# KiCad board karabas-pro-revEU.kicad_pcb (continued)
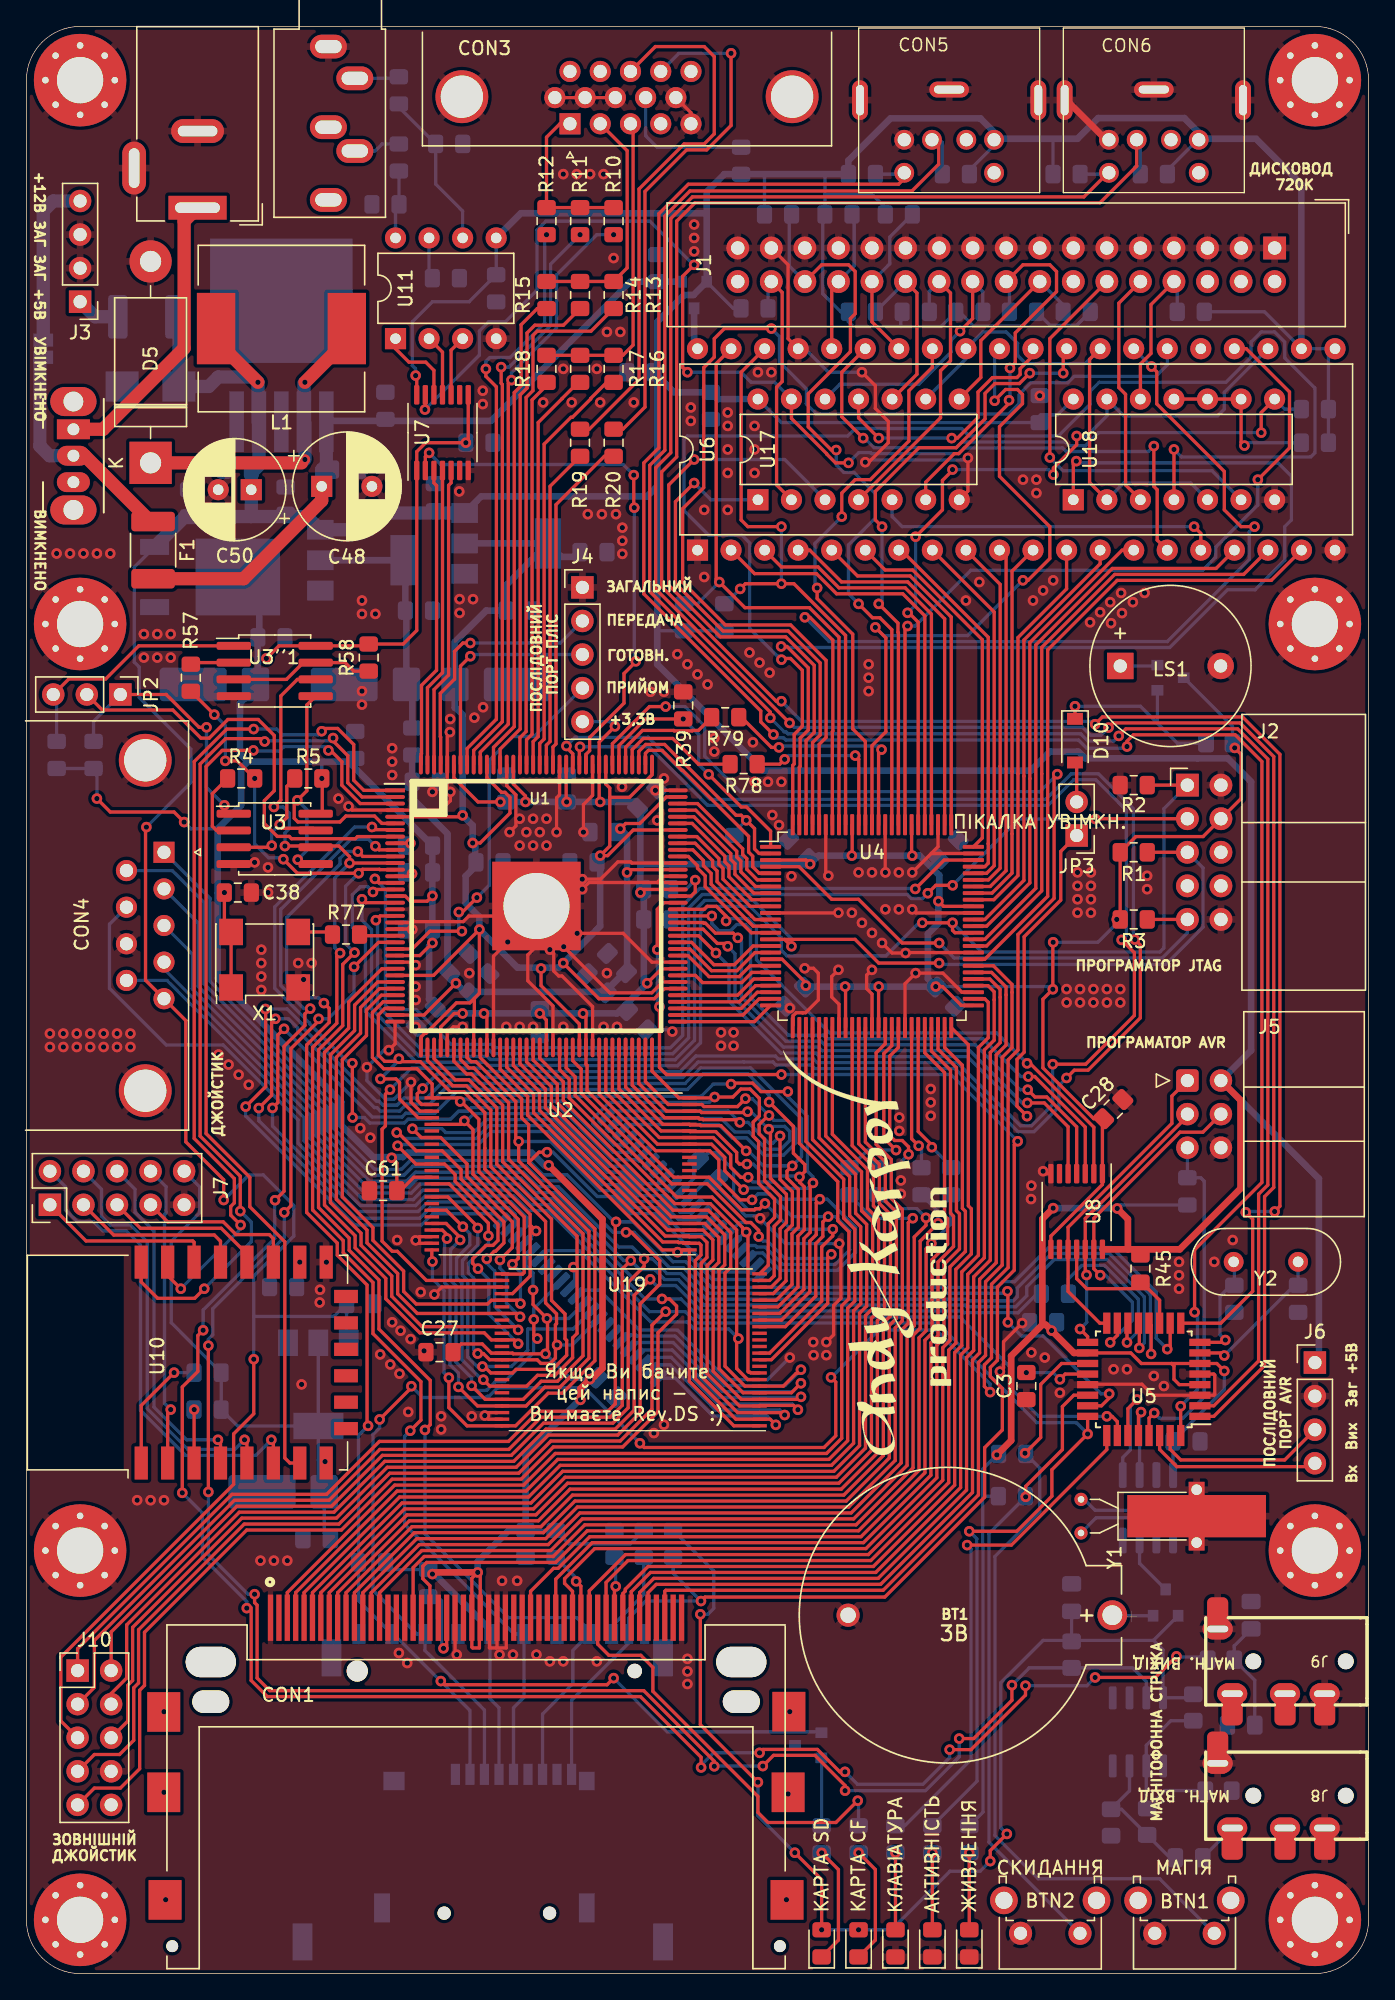
[diagram p0: board, top side]
## Footprints (pads in the part's own frame, mm; a bottom-side part is the same pattern mirrored in y, then rotated)
ALTERA-QFP-145
  rect 1.5x0.3 smd: 1(-10.7,8.75)
  oval 1.5x0.3 smd: 2(-10.7,8.25) 3(-10.7,7.75) 4(-10.7,7.25) 5(-10.7,6.75) 6(-10.7,6.25) 7(-10.7,5.75) 8(-10.7,5.25) 9(-10.7,4.75) 10(-10.7,4.25) 11(-10.7,3.75) 12(-10.7,3.25) 13(-10.7,2.75) 14(-10.7,2.25) 15(-10.7,1.75) 16(-10.7,1.25) 17(-10.7,0.75) 18(-10.7,0.25) 19(-10.7,-0.25) 20(-10.7,-0.75) 21(-10.7,-1.25) 22(-10.7,-1.75) 23(-10.7,-2.25) 24(-10.7,-2.75) 25(-10.7,-3.25) 26(-10.7,-3.75) 27(-10.7,-4.25) 28(-10.7,-4.75) 29(-10.7,-5.25) 30(-10.7,-5.75) 31(-10.7,-6.25) 32(-10.7,-6.75) 33(-10.7,-7.25) 34(-10.7,-7.75) 35(-10.7,-8.25) 36(-10.7,-8.75) 73(10.7,-8.75) 74(10.7,-8.25) 75(10.7,-7.75) 76(10.7,-7.25) 77(10.7,-6.75) 78(10.7,-6.25) 79(10.7,-5.75) 80(10.7,-5.25) 81(10.7,-4.75) 82(10.7,-4.25) 83(10.7,-3.75) 84(10.7,-3.25) 85(10.7,-2.75) 86(10.7,-2.25) 87(10.7,-1.75) 88(10.7,-1.25) 89(10.7,-0.75) 90(10.7,-0.25) 91(10.7,0.25) 92(10.7,0.75) 93(10.7,1.25) 94(10.7,1.75) 95(10.7,2.25) 96(10.7,2.75) 97(10.7,3.25) 98(10.7,3.75) 99(10.7,4.25) 100(10.7,4.75) 101(10.7,5.25) 102(10.7,5.75) 103(10.7,6.25) 104(10.7,6.75) 105(10.7,7.25) 106(10.7,7.75) 107(10.7,8.25) 108(10.7,8.75)
  oval 0.3x1.5 smd: 37(-8.75,-10.7) 38(-8.25,-10.7) 39(-7.75,-10.7) 40(-7.25,-10.7) 41(-6.75,-10.7) 42(-6.25,-10.7) 43(-5.75,-10.7) 44(-5.25,-10.7) 45(-4.75,-10.7) 46(-4.25,-10.7) 47(-3.75,-10.7) 48(-3.25,-10.7) 49(-2.75,-10.7) 50(-2.25,-10.7) 51(-1.75,-10.7) 52(-1.25,-10.7) 53(-0.75,-10.7) 54(-0.25,-10.7) 55(0.25,-10.7) 56(0.75,-10.7) 57(1.25,-10.7) 58(1.75,-10.7) 59(2.25,-10.7) 60(2.75,-10.7) 61(3.25,-10.7) 62(3.75,-10.7) 63(4.25,-10.7) 64(4.75,-10.7) 65(5.25,-10.7) 66(5.75,-10.7) 67(6.25,-10.7) 68(6.75,-10.7) 69(7.25,-10.7) 70(7.75,-10.7) 71(8.25,-10.7) 72(8.75,-10.7) 109(8.75,10.7) 110(8.25,10.7) 111(7.75,10.7) 112(7.25,10.7) 113(6.75,10.7) 114(6.25,10.7) 115(5.75,10.7) 116(5.25,10.7) 117(4.75,10.7) 118(4.25,10.7) 119(3.75,10.7) 120(3.25,10.7) 121(2.75,10.7) 122(2.25,10.7) 123(1.75,10.7) 124(1.25,10.7) 125(0.75,10.7) 126(0.25,10.7) 127(-0.25,10.7) 128(-0.75,10.7) 129(-1.25,10.7) 130(-1.75,10.7) 131(-2.25,10.7) 132(-2.75,10.7) 133(-3.25,10.7) 134(-3.75,10.7) 135(-4.25,10.7) 136(-4.75,10.7) 137(-5.25,10.7) 138(-5.75,10.7) 139(-6.25,10.7) 140(-6.75,10.7) 141(-7.25,10.7) 142(-7.75,10.7) 143(-8.25,10.7) 144(-8.75,10.7)
  round 6 hole 5: 145(0,0)
  rect 6.7x6.7 smd: 145(0,0)
AUDIO_JACK_3.5MM_SMD_TRRS_rounded_mixed
  round 1.199 hole 1.199 unplated: (1.598,0) (8.598,0)
  rrect 1.6x3.2 smd: R1(6.198,3.249) R2(3.198,3.249) S(11.298,-3.249) T(10.198,3.249)
  oval 2.286x1.524 hole 1.6x0.5: R1(6.198,2.449) R2(3.198,2.449) S(11.298,-2.449) T(10.198,2.449)
BarrelJack_Wuerth_6941xx301002
  rect 4.4x1.8 hole 3.4x0.8: 1(0,0)
  oval 4x1.8 hole 3x0.8: 2(0,-5.8)
  oval 1.8x4 hole 0.8x3: 3(4.8,-3)
BAT_BS-7-BLUE
  round 2.25 hole 1.5: 1(10,0)
  round 1.755 hole 1.17: 2(-10,0)
Buzzer_12x9.5RM7.6
  rect 2x2 hole 1: 1(0,0)
  round 2 hole 1: 2(7.6,0)
C_0805_2012Metric_Pad1.15x1.40mm_HandSolder
  rrect 1.15x1.4 smd: 1(-1.025,0) 2(1.025,0)
C_0805_2012Metric_Pad1.18x1.45mm_HandSolder
  rrect 1.175x1.45 smd: 1(-1.038,0) 2(1.038,0)
Conn_uSDcard
  round 1 hole 1 unplated: (-4.93,0) (3.05,0)
  rect 0.7x1.6 smd: 1(2.2,10.5) 2(1.1,10.5) 3(0,10.5) 4(-1.1,10.5) 5(-2.2,10.5) 6(-3.3,10.5) 7(-4.4,10.5) 8(-5.5,10.5) 9(-6.6,10.5)
  rect 1.2x2.2 smd: 6(-7.75,0.4) 6(7.75,0.4)
  rect 1.2x1.4 smd: 6(-7.75,10)
  rect 1.6x1.4 smd: 6(6.85,10)
CP_EIA-7343-31_Kemet-D-uni
  rrect 2.075x2.55 smd: 1(-3.112,0)
  rrect 5.075x2.55 smd: 2(1.6,0)
CP_Radial_D7.5mm_P2.50mm
  rect 1.6x1.6 hole 0.8: 1(0,0)
  round 1.6 hole 0.8: 2(2.5,0)
CP_Radial_D8.0mm_P3.80mm
  rect 1.6x1.6 hole 0.8: 1(0,0)
  round 1.6 hole 0.8: 2(3.8,0)
Crystal_AT310_D3.0mm_L10.0mm_Horizontal_1EP_style2
  round 1 hole 0.5: 1(0,0) 2(2.54,0)
  rect 1.2x1.2 hole 0.8: 3(-0.73,-8.75) 3(3.27,-8.75)
  rect 3.2x10.5 smd: 3(1.27,-8.75)
Crystal_HC49-U_Vertical
  round 1.5 hole 0.8: 1(0,0) 2(4.88,0)
D_DO-201AD_P15.24mm_Horizontal
  rect 3.2x3.2 hole 1.6: 1(0,0)
  oval 3.2x3.2 hole 1.6: 2(15.24,0)
D_SMB
  rect 2.5x2.3 smd: 1(-2.15,0) 2(2.15,0)
D_SOD-123
  rect 0.9x1.2 smd: 1(-1.65,0) 2(1.65,0)
DIP-8_W7.62mm
  rect 1.6x1.6 hole 0.8: 1(0,0)
  oval 1.6x1.6 hole 0.8: 2(0,-2.54) 3(0,-5.08) 4(0,-7.62) 5(7.62,-7.62) 6(7.62,-5.08) 7(7.62,-2.54) 8(7.62,0)
DIP-14_W7.62mm
  rect 1.6x1.6 hole 0.8: 1(0,0)
  oval 1.6x1.6 hole 0.8: 2(0,-2.54) 3(0,-5.08) 4(0,-7.62) 5(0,-10.16) 6(0,-12.7) 7(0,-15.24) 8(7.62,-15.24) 9(7.62,-12.7) 10(7.62,-10.16) 11(7.62,-7.62) 12(7.62,-5.08) 13(7.62,-2.54) 14(7.62,0)
DIP-40_W15.24mm
  rect 1.6x1.6 hole 0.8: 1(0,0)
  oval 1.6x1.6 hole 0.8: 2(0,-2.54) 3(0,-5.08) 4(0,-7.62) 5(0,-10.16) 6(0,-12.7) 7(0,-15.24) 8(0,-17.78) 9(0,-20.32) 10(0,-22.86) 11(0,-25.4) 12(0,-27.94) 13(0,-30.48) 14(0,-33.02) 15(0,-35.56) 16(0,-38.1) 17(0,-40.64) 18(0,-43.18) 19(0,-45.72) 20(0,-48.26) 21(15.24,-48.26) 22(15.24,-45.72) 23(15.24,-43.18) 24(15.24,-40.64) 25(15.24,-38.1) 26(15.24,-35.56) 27(15.24,-33.02) 28(15.24,-30.48) 29(15.24,-27.94) 30(15.24,-25.4) 31(15.24,-22.86) 32(15.24,-20.32) 33(15.24,-17.78) 34(15.24,-15.24) 35(15.24,-12.7) 36(15.24,-10.16) 37(15.24,-7.62) 38(15.24,-5.08) 39(15.24,-2.54) 40(15.24,0)
DSUB-9_Male_Horizontal_P2.77x2.84mm_EdgePinOffset7.70mm_Housed_MountingHolesOffset9.12mm
  round 4 hole 3.2: 0(-6.96,-1.42) 0(18.04,-1.42)
  rect 1.6x1.6 hole 1: 1(0,0)
  round 1.6 hole 1: 2(2.77,0) 3(5.54,0) 4(8.31,0) 5(11.08,0) 6(1.385,-2.84) 7(4.155,-2.84) 8(6.925,-2.84) 9(9.695,-2.84)
DSUB-15-HD_Female_Horizontal_P2.29x1.98mm_EdgePinOffset3.03mm_Housed_MountingHolesOffset4.94mm
  round 4 hole 3.2: 0(-16.815,-2.05) 0(8.185,-2.05)
  rect 1.6x1.6 hole 1: 1(0,0)
  round 1.6 hole 1: 2(-2.29,0) 3(-4.58,0) 4(-6.87,0) 5(-9.16,0) 6(1.145,-1.98) 7(-1.145,-1.98) 8(-3.435,-1.98) 9(-5.725,-1.98) 10(-8.015,-1.98) 11(0,-3.96) 12(-2.29,-3.96) 13(-4.58,-3.96) 14(-6.87,-3.96) 15(-9.16,-3.96)
ESP-12E
  rect 2.5x1 smd: 1(-7.6,3.5) 2(-7.6,1.5) 3(-7.6,-0.5) 4(-7.6,-2.5) 5(-7.6,-4.5) 6(-7.6,-6.5) 7(-7.6,-8.5) 8(-7.6,-10.5) 15(7.6,-10.5) 16(7.6,-8.5) 17(7.6,-6.5) 18(7.6,-4.5) 19(7.6,-2.5) 20(7.6,-0.5) 21(7.6,1.5) 22(7.6,3.5)
  rect 1x1.8 smd: 9(-5,-12) 10(-3,-12) 11(-1,-12) 12(1,-12) 13(3,-12) 14(5,-12)
Fuse_1812_4532Metric_Castellated
  rrect 1.475x3.3 smd: 1(-2.163,0) 2(2.163,0)
IDC-Header_2x03_P2.54mm_Horizontal
  rrect 1.7x1.7 hole 1: 1(0,0)
  round 1.7 hole 1: 2(2.54,0) 3(0,-2.54) 4(2.54,-2.54) 5(0,-5.08) 6(2.54,-5.08)
IDC-Header_2x05_P2.54mm_Horizontal
  rect 1.727x1.727 hole 1.016: 1(0,0)
  oval 1.727x1.727 hole 1.016: 2(2.54,0) 3(0,-2.54) 4(2.54,-2.54) 5(0,-5.08) 6(2.54,-5.08) 7(0,-7.62) 8(2.54,-7.62) 9(0,-10.16) 10(2.54,-10.16)
IDC-Header_2x17_P2.54mm_Vertical
  rect 1.727x1.727 hole 1.016: 1(0,0)
  oval 1.727x1.727 hole 1.016: 2(2.54,0) 3(0,-2.54) 4(2.54,-2.54) 5(0,-5.08) 6(2.54,-5.08) 7(0,-7.62) 8(2.54,-7.62) 9(0,-10.16) 10(2.54,-10.16) 11(0,-12.7) 12(2.54,-12.7) 13(0,-15.24) 14(2.54,-15.24) 15(0,-17.78) 16(2.54,-17.78) 17(0,-20.32) 18(2.54,-20.32) 19(0,-22.86) 20(2.54,-22.86) 21(0,-25.4) 22(2.54,-25.4) 23(0,-27.94) 24(2.54,-27.94) 25(0,-30.48) 26(2.54,-30.48) 27(0,-33.02) 28(2.54,-33.02) 29(0,-35.56) 30(2.54,-35.56) 31(0,-38.1) 32(2.54,-38.1) 33(0,-40.64) 34(2.54,-40.64)
Jack_3.5mm_CUI_SJ1-3535NG_Horizontal
  oval 2.8x1.8 hole 2x1: R(2,-7.9) RN(0,-6.1) S(0,0) T(2,-2.4) TN(0,-11.6)
L_12x12mm_H6mm
  rect 2.9x5.4 smd: 1(-4.95,0) 2(4.95,0)
L_0805_2012Metric_Pad1.15x1.40mm_HandSolder
  rrect 1.15x1.4 smd: 1(-1.025,0) 2(1.025,0)
LED_0805_2012Metric_Pad1.15x1.40mm_HandSolder
  rrect 1.15x1.4 smd: 1(-1.025,0) 2(1.025,0)
LQFP-100_14x14mm_P0.5mm
  rrect 1.6x0.3 smd: 1(-7.675,6) 2(-7.675,5.5) 3(-7.675,5) 4(-7.675,4.5) 5(-7.675,4) 6(-7.675,3.5) 7(-7.675,3) 8(-7.675,2.5) 9(-7.675,2) 10(-7.675,1.5) 11(-7.675,1) 12(-7.675,0.5) 13(-7.675,0) 14(-7.675,-0.5) 15(-7.675,-1) 16(-7.675,-1.5) 17(-7.675,-2) 18(-7.675,-2.5) 19(-7.675,-3) 20(-7.675,-3.5) 21(-7.675,-4) 22(-7.675,-4.5) 23(-7.675,-5) 24(-7.675,-5.5) 25(-7.675,-6) 51(7.675,-6) 52(7.675,-5.5) 53(7.675,-5) 54(7.675,-4.5) 55(7.675,-4) 56(7.675,-3.5) 57(7.675,-3) 58(7.675,-2.5) 59(7.675,-2) 60(7.675,-1.5) 61(7.675,-1) 62(7.675,-0.5) 63(7.675,0) 64(7.675,0.5) 65(7.675,1) 66(7.675,1.5) 67(7.675,2) 68(7.675,2.5) 69(7.675,3) 70(7.675,3.5) 71(7.675,4) 72(7.675,4.5) 73(7.675,5) 74(7.675,5.5) 75(7.675,6)
  rrect 0.3x1.6 smd: 26(-6,-7.675) 27(-5.5,-7.675) 28(-5,-7.675) 29(-4.5,-7.675) 30(-4,-7.675) 31(-3.5,-7.675) 32(-3,-7.675) 33(-2.5,-7.675) 34(-2,-7.675) 35(-1.5,-7.675) 36(-1,-7.675) 37(-0.5,-7.675) 38(0,-7.675) 39(0.5,-7.675) 40(1,-7.675) 41(1.5,-7.675) 42(2,-7.675) 43(2.5,-7.675) 44(3,-7.675) 45(3.5,-7.675) 46(4,-7.675) 47(4.5,-7.675) 48(5,-7.675) 49(5.5,-7.675) 50(6,-7.675) 76(6,7.675) 77(5.5,7.675) 78(5,7.675) 79(4.5,7.675) 80(4,7.675) 81(3.5,7.675) 82(3,7.675) 83(2.5,7.675) 84(2,7.675) 85(1.5,7.675) 86(1,7.675) 87(0.5,7.675) 88(0,7.675) 89(-0.5,7.675) 90(-1,7.675) 91(-1.5,7.675) 92(-2,7.675) 93(-2.5,7.675) 94(-3,7.675) 95(-3.5,7.675) 96(-4,7.675) 97(-4.5,7.675) 98(-5,7.675) 99(-5.5,7.675) 100(-6,7.675)
MINI_DIN_6_33PRIMARY
  round 1.5 hole 1: 1(-1.3,-2.225) 2(1.3,-2.225) 3(-3.4,-2.225) 4(3.4,-2.225) 5(-3.4,-4.725) 6(3.4,-4.725)
  oval 1.2x3 hole 0.6x2.3: GND(-6.75,0.775) GND(6.75,0.775)
  oval 3x1.2 hole 2.3x0.6: GND(0,1.575)
MountingHole_3.5mm_Pad_Via
  round 0.8 hole 0.5: 1(-2.625,0) 1(-1.856,1.856) 1(-1.856,-1.856) 1(0,2.625) 1(0,-2.625) 1(1.856,1.856) 1(1.856,-1.856) 1(2.625,0)
  round 7 hole 3.5: 1(0,0)
Oscillator_SMD_SeikoEpson_SG8002CA-4Pin_7.0x5.0mm
  rect 1.8x2 smd: 1(-2.54,-2.1) 2(2.54,-2.1) 3(2.54,2.1) 4(-2.54,2.1)
PinHeader_1x02_P2.54mm_Vertical
  rect 1.7x1.7 hole 1: 1(0,0)
  oval 1.7x1.7 hole 1: 2(0,-2.54)
PinHeader_1x03_P2.54mm_Vertical
  rect 1.7x1.7 hole 1: 1(0,0)
  oval 1.7x1.7 hole 1: 2(0,-2.54) 3(0,-5.08)
PinHeader_1x04_P2.54mm_Vertical
  rect 1.7x1.7 hole 1: 1(0,0)
  oval 1.7x1.7 hole 1: 2(0,-2.54) 3(0,-5.08) 4(0,-7.62)
PinHeader_1x05_P2.54mm_Vertical
  rect 1.7x1.7 hole 1: 1(0,0)
  oval 1.7x1.7 hole 1: 2(0,-2.54) 3(0,-5.08) 4(0,-7.62) 5(0,-10.16)
PinHeader_2x05_P2.54mm_Vertical
  rect 1.7x1.7 hole 1: 1(0,0)
  oval 1.7x1.7 hole 1: 2(2.54,0) 3(0,-2.54) 4(2.54,-2.54) 5(0,-5.08) 6(2.54,-5.08) 7(0,-7.62) 8(2.54,-7.62) 9(0,-10.16) 10(2.54,-10.16)
R_0805_2012Metric_Pad1.15x1.40mm_HandSolder
  rrect 1.15x1.4 smd: 1(-1.025,0) 2(1.025,0)
R_0805_2012Metric_Pad1.20x1.40mm_HandSolder
  rrect 1.2x1.4 smd: 1(-1,0) 2(1,0)
SD_TE_2041021-mod
  round 1.1 hole 1.1 unplated: (-11.5,9.175)
  round 1.6 hole 1.6 unplated: (9.5,9.175)
  rect 1x1.5 smd: 1(6.875,11.975) 2(4.375,11.975) 3(1.875,11.975) 4(-0.625,11.975) 5(-3.125,11.975) 6(-5.625,11.975) 7(-8.055,11.975) 8(-9.755,11.975) 9(9.375,11.975)
  rect 0.7x1.5 smd: 10(-11.055,11.975) 11(-12.255,11.975)
  rect 1.5x2.8 smd: 12(-13.65,10.175) 12(11.45,10.175) 13(-13.65,-11.325) 13(13.65,-11.325)
SO-8_3.9x4.9mm_P1.27mm
  rrect 1.75x0.6 smd: 1(-2.575,1.905) 2(-2.575,0.635) 3(-2.575,-0.635) 4(-2.575,-1.905) 5(2.575,-1.905) 6(2.575,-0.635) 7(2.575,0.635) 8(2.575,1.905)
SOIC-8_3.9x4.9mm_P1.27mm
  rrect 1.95x0.6 smd: 1(-2.475,1.905) 2(-2.475,0.635) 3(-2.475,-0.635) 4(-2.475,-1.905) 5(2.475,-1.905) 6(2.475,-0.635) 7(2.475,0.635) 8(2.475,1.905)
SOIC-8_5.23x5.23mm_P1.27mm-LONG
  rrect 2.6x0.6 smd: 1(-3.1,1.905) 2(-3.1,0.635) 3(-3.1,-0.635) 4(-3.1,-1.905) 5(3.1,-1.905) 6(3.1,-0.635) 7(3.1,0.635) 8(3.1,1.905)
SolderJumper-2_P1.3mm_Bridged_Pad1.0x1.5mm
  rect 1x1.5 smd: 1(-0.65,0) 2(0.65,0)
SOT-23
  rect 0.9x0.8 smd: 1(-1,0.95) 2(-1,-0.95) 3(1,0)
SOT-223-3_TabPin2
  rect 2x1.5 smd: 1(-3.15,2.3) 2(-3.15,0) 3(-3.15,-2.3)
  rect 2x3.8 smd: 2(3.15,0)
SW_CuK_OS102011MA1QN1_SPDT_Angled
  oval 2.2x3.5 hole 1.5: (-2.1,0) (6.1,0)
  rect 1.5x2.5 hole 0.9: 1(0,0)
  oval 1.5x2.5 hole 0.9: 2(2,0) 3(4,0)
SW_Tactile_SPST_Angled_PTS645Vx58-2LFS
  round 2.1 hole 1.3: (-1.25,-2.49) (5.76,-2.49)
  round 1.75 hole 0.99: 1(0,0) 2(4.5,0)
TE_1734451-1-LONG
  round 0.9 hole 0.9 unplated: (-23,-24.85) (23,-24.85)
  oval 3.8x2.3 hole 3.8x2.3 unplated: (-20.08,-3.35) (20.08,-3.35)
  oval 2.8x1.7 hole 2.8x1.7 unplated: (-20.08,-6.35) (20.08,-6.35)
  rect 0.4x3.5 smd: 1(-15.557,0) 2(-14.287,0) 3(-13.018,0) 4(-11.748,0) 5(-10.477,0) 6(-9.207,0) 7(-7.938,0) 8(-6.668,0) 9(-5.397,0) 10(-4.128,0) 11(-2.857,0) 12(-1.587,0) 13(-0.318,0) 14(0.953,0) 15(2.223,0) 16(3.493,0) 17(4.763,0) 18(6.032,0) 19(7.303,0) 20(8.572,0) 21(9.842,0) 22(11.113,0) 23(12.383,0) 24(13.652,0) 25(14.922,0) 26(-14.922,0) 27(-13.652,0) 28(-12.383,0) 29(-11.113,0) 30(-9.842,0) 31(-8.572,0) 32(-7.303,0) 33(-6.032,0) 34(-4.763,0) 35(-3.493,0) 36(-2.223,0) 37(-0.953,0) 38(0.318,0) 39(1.587,0) 40(2.857,0) 41(4.128,0) 42(5.397,0) 43(6.668,0) 44(7.938,0) 45(9.207,0) 46(10.477,0) 47(11.748,0) 48(13.018,0) 49(14.287,0) 50(15.557,0)
  rect 2.5x3 smd: S1(-23.64,-7.13) S1(-23.64,-13.208) S1(-23.54,-21.35) S1(23.622,-13.208) S1(23.68,-7.11) S2(23.54,-21.35)
TO-252-2
  rect 3.05x2.75 smd: (0.425,-1.525) (0.425,1.525) (3.775,-1.525) (3.775,1.525)
  rect 2.2x1.2 smd: 1(-4.2,2.28) 3(-4.2,-2.28)
  rect 6.4x5.8 smd: 2(2.1,0)
TO-263-5_TabPin3
  rect 4.55x5.25 smd: (0.95,-2.775) (0.95,2.775) (5.8,-2.775) (5.8,2.775)
  rect 4.6x1.1 smd: 1(-5.775,3.4) 2(-5.775,1.7) 3(-5.775,0) 4(-5.775,-1.7) 5(-5.775,-3.4)
  rect 9.4x10.8 smd: 3(3.375,0)
TQFP-32_7x7mm_P0.8mm
  rect 1.6x0.55 smd: 1(-4.25,2.8) 2(-4.25,2) 3(-4.25,1.2) 4(-4.25,0.4) 5(-4.25,-0.4) 6(-4.25,-1.2) 7(-4.25,-2) 8(-4.25,-2.8) 17(4.25,-2.8) 18(4.25,-2) 19(4.25,-1.2) 20(4.25,-0.4) 21(4.25,0.4) 22(4.25,1.2) 23(4.25,2) 24(4.25,2.8)
  rect 0.55x1.6 smd: 9(-2.8,-4.25) 10(-2,-4.25) 11(-1.2,-4.25) 12(-0.4,-4.25) 13(0.4,-4.25) 14(1.2,-4.25) 15(2,-4.25) 16(2.8,-4.25) 25(2.8,4.25) 26(2,4.25) 27(1.2,4.25) 28(0.4,4.25) 29(-0.4,4.25) 30(-1.2,4.25) 31(-2,4.25) 32(-2.8,4.25)
TSOP-I-48_18.4x12mm_P0.5mm
  rect 1.1x0.25 smd: 1(-9.75,5.75) 2(-9.75,5.25) 3(-9.75,4.75) 4(-9.75,4.25) 5(-9.75,3.75) 6(-9.75,3.25) 7(-9.75,2.75) 8(-9.75,2.25) 9(-9.75,1.75) 10(-9.75,1.25) 11(-9.75,0.75) 12(-9.75,0.25) 13(-9.75,-0.25) 14(-9.75,-0.75) 15(-9.75,-1.25) 16(-9.75,-1.75) 17(-9.75,-2.25) 18(-9.75,-2.75) 19(-9.75,-3.25) 20(-9.75,-3.75) 21(-9.75,-4.25) 22(-9.75,-4.75) 23(-9.75,-5.25) 24(-9.75,-5.75) 25(9.75,-5.75) 26(9.75,-5.25) 27(9.75,-4.75) 28(9.75,-4.25) 29(9.75,-3.75) 30(9.75,-3.25) 31(9.75,-2.75) 32(9.75,-2.25) 33(9.75,-1.75) 34(9.75,-1.25) 35(9.75,-0.75) 36(9.75,-0.25) 37(9.75,0.25) 38(9.75,0.75) 39(9.75,1.25) 40(9.75,1.75) 41(9.75,2.25) 42(9.75,2.75) 43(9.75,3.25) 44(9.75,3.75) 45(9.75,4.25) 46(9.75,4.75) 47(9.75,5.25) 48(9.75,5.75)
TSOP-II-44_10.16x18.41mm_P0.8mm
  rrect 1.525x0.55 smd: 1(-5.588,8.4) 2(-5.588,7.6) 3(-5.588,6.8) 4(-5.588,6) 5(-5.588,5.2) 6(-5.588,4.4) 7(-5.588,3.6) 8(-5.588,2.8) 9(-5.588,2) 10(-5.588,1.2) 11(-5.588,0.4) 12(-5.588,-0.4) 13(-5.588,-1.2) 14(-5.588,-2) 15(-5.588,-2.8) 16(-5.588,-3.6) 17(-5.588,-4.4) 18(-5.588,-5.2) 19(-5.588,-6) 20(-5.588,-6.8) 21(-5.588,-7.6) 22(-5.588,-8.4) 23(5.588,-8.4) 24(5.588,-7.6) 25(5.588,-6.8) 26(5.588,-6) 27(5.588,-5.2) 28(5.588,-4.4) 29(5.588,-3.6) 30(5.588,-2.8) 31(5.588,-2) 32(5.588,-1.2) 33(5.588,-0.4) 34(5.588,0.4) 35(5.588,1.2) 36(5.588,2) 37(5.588,2.8) 38(5.588,3.6) 39(5.588,4.4) 40(5.588,5.2) 41(5.588,6) 42(5.588,6.8) 43(5.588,7.6) 44(5.588,8.4)
TSSOP-14_4.4x5mm_P0.65mm
  rrect 1.475x0.4 smd: 1(-2.862,1.95) 2(-2.862,1.3) 3(-2.862,0.65) 4(-2.862,0) 5(-2.862,-0.65) 6(-2.862,-1.3) 7(-2.862,-1.95) 8(2.862,-1.95) 9(2.862,-1.3) 10(2.862,-0.65) 11(2.862,0) 12(2.862,0.65) 13(2.862,1.3) 14(2.862,1.95)

## Nets
+12V: C46.1 C47.1 C48.1 C49.1 D3.1 F1.2 U15.1
/VCC3_3_ESP: C13.1 C54.1 J7.10 R30.2 R31.2 U10.8 U21.2
GND: BT1.2 BTN1.2 BTN2.2 C3.1 C4.1 C5.1 C6.2 C7.2 C8.2 C9.2 C10.2 C11.2 C12.2 C13.2 C14.2 C15.2 C16.2 C17.2 C18.2 C19.2 C20.2 C21.2 C22.2 C23.2 C24.2 C25.2 C26.2 C27.2 C28.2 C29.2 C30.2 C31.2 C32.2 C33.2 C34.2 C35.2 C36.2 C37.2 C38.2 C39.2 C40.2 C41.2 C42.2 C43.2 C44.2 C45.2 C46.2 C47.2 C48.2 C49.2 C50.2 C51.2 C52.2 C53.2 C54.2 C57.1 C58.2 C59.2 C60.2 C61.2 C63.2 CON1.1 CON1.8 CON1.9 CON1.10 CON1.11 CON1.12 CON1.14 CON1.15 CON1.16 CON1.17 CON1.39 CON1.50 CON2.3 CON2.6 CON2.12 CON2.13 CON3.0 CON3.5 CON3.6 CON3.7 CON3.8 CON3.10 CON4.0 CON4.8 CON5.3 CON5.GND CON6.3 CON6.GND CON7.S CON8.2 CON8.3 CON9.6 D1.1 D2.1 D5.2 D7.1 D9.2 H1.1 H2.1 H3.1 H4.1 H5.1 H6.1 H7.1 H8.1 J1.1 J1.3 J1.5 J1.7 J1.9 J1.11 J1.13 J1.15 J1.17 J1.19 J1.21 J1.23 J1.25 J1.27 J1.29 J1.31 J1.33 J2.2 J2.10 J3.2 J3.3 J4.1 J5.6 J6.2 J7.9 J8.R2 J8.S J9.R2 J9.S J10.8 LS1.2 Q1.3 R2.1 R25.2 R26.2 R27.2 R32.1 R39.2 R61.1 R62.2 R76.2 R83.2 U1.4 U1.19 U1.21 U1.22 U1.27 U1.36 U1.41 U1.48 U1.57 U1.63 U1.79 U1.82 U1.94 U1.95 U1.97 U1.108 U1.118 U1.123 U1.131 U1.140 U1.145 U2.27 U2.46 U2.47 U3.4 U3''1.4 U4.11 U4.26 U4.33 U4.38 U4.43 U4.53 U4.59 U4.65 U4.74 U4.78 U4.86 U4.95 U5.3 U5.5 U5.21 U6.1 U6.20 U6.37 U7.7 U8.7 U9.4 U10.15 U11.4 U12.1 U13.1 U14.1 U15.3 U15.5 U16.1 U16.4 U17.7 U18.7 U19.27 U19.46 U19.47 U20.12 U20.34 U21.1 X1.2 Y1.3
VCC: C14.1 C22.1 C25.1 C29.1 C31.1 C33.1 C45.1 C50.1 C51.1 C52.1 C53.1 C63.1 CON4.5 CON5.4 CON6.4 D3.2 D9.1 F2.2 J5.2 J6.1 J10.5 L1.2 R6.1 R7.1 R8.1 R9.2 R21.2 R22.2 R23.2 R24.2 R40.2 R41.2 R42.2 R43.2 R44.2 R45.2 R46.2 R47.2 R53.1 R56.1 R64.1 R65.1 R66.1 R67.1 R68.1 R69.1 U5.4 U5.6 U5.18 U6.21 U6.22 U7.14 U8.14 U9.8 U11.5 U12.3 U13.3 U14.3 U15.4 U17.14 U18.14 U21.3
VCC1_2: C8.1 C12.1 C16.1 C20.1 R61.2 U1.5 U1.29 U1.37 U1.45 U1.61 U1.78 U1.102 U1.109 U1.116 U1.134 U14.2
VCC2_5: C6.1 C10.1 C15.1 C19.1 C23.1 C26.1 FB1.2 U1.35 U1.96 U1.107
VCC3_3: C9.1 C17.1 C18.1 C21.1 C24.1 C27.1 C28.1 C30.1 C32.1 C34.1 C35.1 C36.1 C37.1 C38.1 C39.1 C40.1 C41.1 C42.1 C43.1 C44.1 C58.1 C59.1 C60.1 C61.1 CON1.13 CON1.38 CON2.4 CON9.4 D4.2 D6.2 D8.1 J2.4 J4.5 Q2.3 R1.2 R3.2 R5.2 R33.2 R34.2 R35.2 R36.2 R37.1 R38.2 R48.2 R52.2 R58.2 R59.2 R60.2 R74.1 R75.1 R82.1 R84.1 U1.17 U1.26 U1.40 U1.47 U1.56 U1.62 U1.81 U1.93 U1.117 U1.122 U1.130 U1.139 U2.12 U2.37 U3.8 U3''1.8 U4.3 U4.18 U4.34 U4.39 U4.51 U4.66 U4.82 U4.91 U7.1 U7.8 U8.1 U8.8 U12.2 U16.8 U19.12 U19.37 U20.11 U20.33 U20.40 X1.1 X1.4
/ASDO: U1.6 U3.5 U3''1.5
/AVR_MISO: J5.1 U5.16 U8.10
/AVR_MOSI: J5.4 U5.15 U8.13
/AVR_RX: J6.4 U5.30
/AVR_SCK: J5.3 U5.17 U8.12
/AVR_TX: J6.3 U5.31
/AVR_XT1: C4.2 U5.7 Y2.1
/AVR_XT2: C5.2 U5.8 Y2.2
/B: CON3.3 R16.2 R17.2 R18.2
/BEEPER: JP3.1 U1.86
/BTN1: BTN1.1 R46.1 U5.19
/BTN2: BTN2.1 R47.1 U5.22
/CLK_50MHZ: R77.2 U1.23
/CONF_DONE: R33.1 U1.92
/CPLD_CLK: R79.2 U1.113
/CPLD_CLK2: R78.2 U1.112
/D0: U4.72 U6.7
/D1: U4.71 U6.8
/D2: U4.70 U6.9
/D3: U4.69 U6.10
/D4: U4.68 U6.11
/D5: U4.67 U6.12
/D6: U4.64 U6.13
/D7: U4.63 U6.14
/DATA0: CON2.7 CON9.7 R4.2 R57.2 U1.13
/DCLK: CON2.5 CON9.5 U1.12 U3.6 U3''1.6
/ESP_ADC: J7.8 U10.2
/ESP_GPIO0: J7.5 U10.18
/ESP_GPIO2: J7.7 U10.17
/ESP_GPIO4: J7.3 U10.19
/ESP_GPIO5: J7.1 U10.20
/ESP_GPIO12: J7.2 U10.6
/ESP_GPIO14: J7.4 U10.5
/ESP_GPIO16: J7.6 U10.4
/FDC_A0: U4.76 U6.5
/FDC_A1: U4.75 U6.6
/FDC_CLK: U4.83 U6.24
/FDC_DIR: U6.16 U17.5
/FDC_DRQ: R44.1 U4.92 U6.38
/FDC_DS0: U4.99 U18.1
/FDC_DS1: U4.100 U18.4
/FDC_HLT: U4.81 U6.23 U18.13
/FDC_INTRQ: R43.1 U4.93 U6.39
/FDC_IP: R8.2 U6.35 U18.8
/FDC_RCLK: U4.96 U6.26
/FDC_RDY: U6.28 U6.32 U17.9 U18.2 U18.5
/FDC_SIDE: J1.32 R69.2 U17.2
/FDC_SL: U4.61 U6.17
/FDC_SR: U4.60 U6.18
/FDC_STEP: U6.15 U7.13 U17.13
/FDC_TR43: U4.84 U6.29
/FDC_WD: U4.88 U6.31
/FDC_WDATA: U4.98 U17.3
/FDC_WF_DE: U4.89 U6.33
/FDC_WGATE: U6.30 U17.11
/G: CON3.2 R13.2 R14.2 R15.2
/HS: CON3.13 R19.1
/I2C_SCL: U5.28 U9.6
/I2C_SDA: U5.27 U9.5
/JOY_DOWN: CON4.2 J10.2 U5.12
/JOY_FIRE1: CON4.6 J10.6 U5.23
/JOY_FIRE2: CON4.9 J10.9 U5.26
/JOY_LEFT: CON4.3 J10.3 U5.13
/JOY_R2: CON4.4 J10.4 R63.2
/JOY_RIGHT: R63.1 U5.14
/JOY_UP: CON4.1 J10.1 U5.10
/L1: D1.2 R28.2
/L2: D2.2 R29.2
/L3: D7.2 R56.2
/L4: D4.1 R54.2
/L5: D6.1 R55.2
/LAVR_MISO: U1.87 U8.5
/LAVR_MOSI: U1.90 U8.2
/LAVR_SCK: U1.89 U8.3
/LED1: R28.1 U5.25
/LED2: CON4.7 J10.7 R29.1 U5.24
/LED_BUSY: CON1.45 R55.1
/LFDC_STEP: U1.119 U7.2
/LSND_BS: U1.144 U7.3
/LSND_DAT: U1.142 U7.5
/LSND_WS: U1.143 U7.4
/MA0: U1.33 U2.25 U19.25 U20.5
/MA1: U1.72 U2.24 U19.24 U20.4
/MA2: U1.71 U2.23 U19.23 U20.3
/MA3: U1.70 U2.22 U19.22 U20.2
/MA4: U1.69 U2.21 U19.21 U20.1
/MA5: U1.68 U2.20 U19.20 U20.44
/MA6: U1.67 U2.19 U19.19 U20.43
/MA7: U1.66 U2.18 U19.18 U20.42
/MA8: U1.58 U2.8 U19.8 U20.39
/MA9: U1.55 U2.7 U19.7 U20.28
/MA10: U1.54 U2.6 U19.6 U20.27
/MA11: U1.53 U2.5 U19.5 U20.26
/MA12: U1.52 U2.4 U19.4 U20.25
/MA13: U1.51 U2.3 U19.3 U20.24
/MA14: U1.50 U2.2 U19.2 U20.23
/MA15: U1.49 U2.1 U19.1 U20.22
/MA16: U1.46 U2.48 U19.48 U20.21
/MA17: U1.65 U2.17 U19.17 U20.20
/MA18: U1.64 U2.16 U19.16 U20.19
/MA19: U1.59 U2.9 U19.9 U20.18
/MA20: U1.44 U2.45 U19.45 U20.16
/MD0: U1.32 U2.29 U19.29 U20.9
/MD1: U1.31 U2.31 U19.31 U20.10
/MD2: U1.30 U2.33 U19.33 U20.13
/MD3: U1.28 U2.35 U19.35 U20.14
/MD4: U1.38 U2.38 U19.38 U20.31
/MD5: U1.39 U2.40 U19.40 U20.32
/MD6: U1.42 U2.42 U19.42 U20.35
/MD7: U1.43 U2.44 U19.44 U20.36
/NCONFIG: R34.1 U1.14
/NCSO: JP2.2 U1.8
/NCSO1: JP2.1 R59.1 U3.1
/NCSO2: JP2.3 R60.1 U3''1.1
/NSTATUS: R35.1 U1.9
/PS2_KB_CLK: CON5.5 R21.1 U5.32
/PS2_KB_DATA: CON5.1 R22.1 U5.2
/PS2_MS_CLK: CON6.5 R23.1 U5.1
/PS2_MS_DATA: CON6.1 R24.1 U5.9
/R: CON3.1 R10.2 R11.2 R12.2
/SA0: U1.110 U4.5
/SA1: U1.106 U4.6
/SD0: U1.105 U4.7
/SD1: U1.104 U4.8
/SD2: U1.103 U4.9
/SD3: U1.101 U4.10
/SD4: U1.100 U4.12
/SD5: U1.99 U4.13
/SD6: U1.98 U4.14
/SD7: U1.85 U4.16
/SD8: U1.84 U4.17
/SD9: U1.83 U4.19
/SD10: U1.80 U4.20
/SD11: U1.77 U4.21
/SD12: U1.76 U4.22
/SD13: U1.75 U4.23
/SD14: U1.74 U4.24
/SD15: U1.73 U4.25
/SD_DI: CON2.2 CON9.3 U1.115
/SDIR: R38.1 U1.111 U4.2
/SND_BS: U7.12 U11.1
/SND_DAT: U7.10 U11.3
/SND_L: C2.2 CON7.T
/SND_R: C1.2 CON7.R
/SND_WS: U7.11 U11.2
/TCK: J2.1 R2.2 U1.16 U4.62
/TDI: J2.9 R3.1 U4.4
/TDI1: U1.15 U4.73
/TDO: J2.3 U1.20
/TMS: J2.5 R1.1 U1.18 U4.15
/UART2_CTS: J4.3 U1.138
/UART2_RX: J4.4 U1.25
/UART2_TX: J4.2 U1.141
/UART_CTS: U1.3 U10.7
/UART_RX: U1.2 U10.22
/UART_TX: U1.1 U10.21
/VGA_B0: R16.1 U1.126
/VGA_B1: R17.1 U1.127
/VGA_B2: R18.1 U1.128
/VGA_G0: R13.1 U1.129
/VGA_G1: R14.1 U1.132
/VGA_G2: R15.1 U1.133
/VGA_HS: R19.2 U1.125
/VGA_R0: R10.1 U1.135
/VGA_R1: R11.1 U1.136
/VGA_R2: R12.1 U1.137
/VGA_VS: R20.2 U1.124
/VS: CON3.14 R20.1
/WA0: CON1.20 U4.49
/WA1: CON1.19 U4.48
/WA2: CON1.18 U4.47
/WD0: CON1.21 U4.50
/WD1: CON1.22 U4.52
/WD2: CON1.23 U4.55
/WD3: CON1.2 U4.27
/WD4: CON1.3 U4.29
/WD5: CON1.4 U4.31
/WD6: CON1.5 U4.35
/WD7: CON1.6 U4.37
/WD8: CON1.47 U4.54
/WD9: CON1.48 U4.56
/WD10: CON1.49 U4.57
/WD11: CON1.27 U4.28
/WD12: CON1.28 U4.30
/WD13: CON1.29 U4.32
/WD14: CON1.30 U4.36
/WD15: CON1.31 U4.40
/~{AVR_CS}: R45.1 U5.11 U8.11
/~{AVR_RESET}: J5.5 R9.1 U5.29
/~{FDC_CS}: U4.79 U6.3
/~{FDC_DIR}: J1.18 R65.2 U17.6
/~{FDC_DRIVE0}: J1.10 U18.3
/~{FDC_DRIVE1}: J1.12 U18.6
/~{FDC_INDEX}: J1.8 R6.2 U18.12
/~{FDC_MOTOR}: J1.16 R64.2 U17.8
/~{FDC_RAWR}: U4.94 U6.27
/~{FDC_RDATA}: J1.30 R40.1 U4.85
/~{FDC_RST}: U4.58 U6.19
/~{FDC_SIDE}: U4.97 U17.1
/~{FDC_STEP}: J1.20 R66.2 U17.12
/~{FDC_TR00}: J1.26 R42.1 U6.34
/~{FDC_WDATA}: J1.22 R67.2 U17.4
/~{FDC_WGATE}: J1.24 R68.2 U17.10
/~{FDC_WPRT}: J1.28 R41.1 U6.36
/~{LAVR_CS}: U1.88 U8.4
/~{LWCS0}: R70.1 U4.41
/~{LWCS1}: R71.1 U4.42
/~{LWRD}: R72.1 U4.44
/~{LWWR}: R73.1 U4.45
/~{MRD}: U1.34 U2.28 U19.28 U20.41
/~{MWR}: U1.60 U2.11 U19.11 U20.17
/~{RAMCE1}: U1.121 U2.26
/~{RAMCE2}: U1.120 U19.26
/~{RAMCE3}: U1.7 U20.6
/~{RD}: U4.77 U6.4
/~{RESET}: R39.1 U1.114 U4.1
/~{SD_CS}: CON2.1 CON9.2 Q1.1 R36.1 U1.11
/~{SD_DET}: CON2.10 CON9.9 R52.1 U1.91
/~{WCS0}: CON1.7 R70.2
/~{WCS1}: CON1.32 R71.2
/~{WRD}: CON1.34 R72.2
/~{WRESET}: CON1.41 U4.46
/~{WR}: U4.80 U6.2
/~{WWR}: CON1.35 R73.2
TAPE_IN: R84.2 U1.24 U16.7
TAPE_OUT: R81.2 U1.10
Net-(BT1-Pad1): BT1.1 D8.2
Net-(C1-Pad1): C1.1 R27.1 U11.8
Net-(C2-Pad1): C2.1 R26.1 U11.6
Net-(C3-Pad2): C3.2 U5.20
Net-(C11-Pad1): C7.1 C11.1 FB1.1 U13.2
Net-(C55-Pad1): C55.1 J8.T
Net-(C55-Pad2): C55.2 R62.1 R80.1 U16.3
Net-(C56-Pad1): C56.1 J9.T
Net-(C56-Pad2): C56.2 C57.2 R81.1
Net-(CON1-Pad36): CON1.36 R75.2
Net-(CON1-Pad44): CON1.44 R74.2
Net-(CON1-Pad46): CON1.46 R76.1
Net-(CON2-Pad8): CON2.8 R37.2
Net-(CON3-Pad9): CON3.9 R53.2
Net-(CON8-Pad1): CON8.1 SW4.1
Net-(D3-Pad3): D3.3 U6.40
Net-(D5-Pad1): D5.1 L1.1 U15.2
Net-(D8-Pad3): D8.3 U9.3
Net-(D10-Pad1): D10.1 Q2.1 R48.1
Net-(D10-Pad2): D10.2 JP3.2
Net-(F1-Pad1): F1.1 JP1.2 SW4.2
Net-(F2-Pad1): F2.1 J3.1
Net-(J3-Pad4): J3.4 JP1.1
Net-(LS1-Pad1): LS1.1 Q2.2
Net-(Q1-Pad2): Q1.2 R54.1
Net-(R4-Pad1): R4.1 U3.2
Net-(R5-Pad1): R5.1 U3.3 U3.7
Net-(R7-Pad2): R7.2 U18.9 U18.10 U18.11
Net-(R25-Pad1): R25.1 U11.7
Net-(R30-Pad1): R30.1 U10.3
Net-(R31-Pad1): R31.1 U10.1
Net-(R32-Pad2): R32.2 U10.16
Net-(R57-Pad1): R57.1 U3''1.2
Net-(R58-Pad1): R58.1 U3''1.3 U3''1.7
Net-(R77-Pad1): R77.1 X1.3
Net-(R78-Pad1): R78.1 U4.90
Net-(R79-Pad1): R79.1 U4.87
Net-(R80-Pad2): R80.2 R82.2 R83.1 U16.2
Net-(U9-Pad1): U9.1 Y1.2
Net-(U9-Pad2): U9.2 Y1.1

Pads without a net: CON1 24 25 26 33 37 40 42 43 S1 S2; CON2 9 11; CON3 4 11 12 15; CON5 2 6; CON6 2 6; CON7 RN TN; CON9 1 8; J1 2 4 6 14 34; J2 6 7 8; J8 R1; J9 R1; J10 10; SW4 3; U2 10 13 14 15 30 32 34 36 39 41 43; U6 25; U7 6 9; U8 6 9; U9 7; U10 9 10 11 12 13 14; U16 5 6; U19 10 13 14 15 30 32 34 36 39 41 43; U20 7 8 15 29 30 37 38

## Via types
v1: diameter 0.8, hole 0.4, Top to Bottom, 688 vias

## Routing (per net, layer and track width the routed paths; a pad name or vN(x,y) marks a point on that pad's centre or on a via; arc(x,y) is an arc through that point)
+12V: length 52.5
  Top w1: C48.1 22.35,111.44 16.44,105.53 F1.2
  Bottom w0.5: 22.77,117.48 35.19,117.48 45.71,128.01 C47.1 49.59,128.01
  Bottom w1: U15.1 22.7,114.14 22.35,113.79 C48.1
/VCC3_3_ESP: length 44
  Bottom w0.25: C54.1 22.54,33.36 C13.1 ; U21.2 U21.2 ; U21.2 15.99,41.43 R30.2 R31.2 10.96,49.25 10.96,55.41 13.11,57.56 13.11,59.53 J7.10 ; U21.2 22.1,38.86 ; v1(22.61,38.73) 22.48,38.86 22.1,38.86 ; 22.1,38.86 22.1,36.89
GND: length 305.8
  Top w0.25: v1(29.11,67.45) 29.11,65.93 29.79,65.25 U2.27 ; 28.91,79.02 29.18,79.02 v1(29.21,78.99) ; 28.91,79.02 U1.22 ; 28.91,79.02 29.21,79.32 29.21,79.5 ; U4.86 65.01,83.33 v1(65.02,83.31) ; U1.118 42.86,89.14 42.16,88.45 v1(42.16,86.36) ; v1(36.58,86.36) 37.05,86.84 37.05,89.18 36.36,89.87 U1.131 ; CON3.10 50.31,140.79 CON3.5 ; 35.56,24.64 36.32,24.64 36.32,26.86 ; 35.56,24.64 35.05,24.64 35.05,26.54 ; 35.56,24.64 35.62,24.7 CON1.39 ; U19.47 34.97,41.94 v1(34.7,42.22) 34.92,42.44 35.64,42.44 ; v1(76.96,60.71) 77.15,60.52 U8.7 ; v1(40.67,77.69) 44.16,74.2 47.34,74.2 48.16,75.02 U1.79 ; U1.48 35.36,76.97 v1(36.44,78.05) ; v1(67.06,80.52) 67.33,80.25 U4.65 ; v1(30.88,51.38) 31.44,51.94 U19.27 ; 29.21,79.5 29.21,79.76 29.38,79.59 33.07,79.59 33.49,80.01 35.31,80.01 ; 29.21,79.5 29.19,79.52 U1.21 ; v1(42.08,82.04) 42.58,82.55 47.75,82.55 ; U1.41 31.86,71.17 32.32,71.63 v1(33.02,71.63) ; v1(41.69,78.71) 45.17,78.71 47.35,76.52 U1.82 ; 47.75,82.55 48.22,83.02 U1.95 ; 47.75,82.55 49.24,82.55 ; U1.4 31.38,88.02 32.09,88.73 v1(32.09,89.41) 31.86,89.64 U1.140 31.86,93.58 ; 58.03,71.75 58.03,72.46 58.27,72.7 58.75,72.7 58.76,72.69 58.77,72.7 58.98,72.7 59.94,73.66 59.94,75.69 59.58,76.06 v1(58.91,76.06) ; v1(71.27,114.67) 71.27,112.16 U17.7 ; 61.51,71.57 61.51,73.34 60.96,73.89 60.96,75.44 v1(61.47,75.95) ; U6.37 57.66,123.7 57.66,129.29 J1.31 ; v1(61.53,55.23) 61.65,55.11 61.65,51.1 61.11,50.55 61.11,48.33 v1(60.55,47.78) ; v1(24.38,88.3) 24.66,88.03 27.9,88.03 ; U1.108 v1(47.61,89.52) ; v1(40.13,86.36) 40.13,88.96 40.36,89.18 U1.123 ; U4.53 70.82,74.25 69.37,75.69 v1(67.31,75.69) 66.51,74.89 66.51,71.57 ; U1.57 39.86,73.21 37.95,75.11 37.95,77.07 38.35,77.47 ; U4.59 66.58,77.25 v1(66.55,77.22) 65.53,77.22 v1(64.77,77.98) ; 64.01,71.57 64.01,74.11 63.6,74.52 63.6,75.54 v1(64,75.94) ; v1(73.69,45.55) 73.97,45.82 73.97,47.8 v1(75.38,49.21) ; v1(60.71,83.06) 60.51,83.26 U4.95 ; CON3.6 CON3.7 CON3.8 ; v1(27.43,69.87) 27.91,70.34 U1.36 ; U2.46 29.74,55.75 v1(29.46,55.47) 29.68,55.25 U2.47 ; v1(39.62,77.47) 39.91,77.18 39.91,75.85 40.29,75.47 40.55,75.47 42.86,73.16 U1.63 ; U1.27 29.24,76.52 v1(29.46,76.3) ; v1(42.08,82.8) 43.46,82.8 44.77,84.11 45.74,84.11 45.83,84.02 U1.97 ; v1(32.58,24.13) 32.45,24.26 CON1.12 ; U4.78 69.01,85.26 v1(67.06,83.31) ; 80.36,44.59 84.44,44.59 85.27,43.76 U5.3 89.88,43.76 89.96,43.83 89.96,45.28 89.88,45.36 U5.5 ; U4.11 61.45,80.25 v1(61.47,80.26) ; v1(63.25,121.16) 64.26,120.14 64.26,118.42 65.24,117.44 65.24,115.82 63.77,114.35 v1(63.5,114.35) ; U4.74 68.49,84.75
  Top w0.5: 81.65,138.82 78.61,141.86
  Bottom w0.25: v1(29.11,67.45) 27.82,66.15 27.17,66.15 25.78,67.55 v1(25.78,68.57) 27.07,69.87 v1(27.43,69.87) ; v1(48.9,71.27) 48.76,71.41 C24.2 ; 58.93,122.94 60.71,121.16 v1(63.25,121.16) ; v1(71.27,114.67) 71.12,114.52 63.67,114.52 v1(63.5,114.35) ; 42.07,51.71 43.38,51.71 46.4,48.68 49.29,48.68 53.04,44.93 56.11,44.93 v1(57.78,46.61) ; U20.12 51.62,60.12 C59.2 52.32,59.46 54.45,57.33 55.35,57.33 57.45,55.23 v1(61.53,55.23) ; v1(75.38,49.21) 75.44,49.28 C22.2 ; 67.05,138.55 66.77,138.82 ; v1(29.21,78.99) C35.2
  vias: v1(1.78,71.12) v1(1.78,70.1) v1(2.29,107.44) v1(2.79,71.12) v1(2.79,70.1) v1(3.3,107.44) v1(3.81,71.12) v1(3.81,70.1) v1(4.32,107.44) v1(4.83,71.12) v1(4.83,70.1) v1(5.33,107.44) v1(5.84,71.12) v1(5.84,70.1) v1(6.35,107.44) v1(6.86,71.12) v1(6.86,70.1) v1(7.87,71.12) v1(7.87,70.1) v1(8.38,35.81) v1(8.89,101.35) v1(8.89,99.57) v1(9.4,35.81) v1(9.91,101.35) v1(9.91,99.57) v1(10.41,35.81) v1(10.41,19.81) v1(10.41,13.72) v1(10.54,5.59) v1(10.92,101.35) v1(10.92,99.57) v1(14.54,69.53) v1(15.3,68.77) v1(16.07,68.01) v1(16.83,67.25) v1(17.27,84.07) v1(17.78,77.47) v1(17.78,76.45) v1(17.78,75.44) v1(17.78,74.42) v1(17.72,31.24) v1(18.29,83.69) v1(18.29,81.79) v1(18.73,31.24) v1(19.75,31.24) v1(20.57,76.45) v1(20.83,44.58) v1(20.98,75.21) v1(21.59,76.45) v1(22.22,51.74) v1(22.2,50.77) v1(22.71,53.82) v1(23.62,88.9) v1(25.27,63.96) v1(25.4,103.89) v1(25.4,102.87) v1(25.4,97.03) v1(25.4,96.01) v1(26.03,63.25) v1(26.42,102.87) v1(26.78,46.85) v1(27.54,46.08) v1(27.69,92.71) v1(27.69,91.69) v1(27.69,90.68) v1(27.69,49.28) v1(28.07,55.5) v1(28.24,45.39) v1(28.19,24.26) v1(28.32,48.64) v1(28.83,23.5) v1(28.91,42.49) v1(29.08,48.01) v1(29.46,74.68) v1(29.46,73.66) v1(29.46,71.63) v1(29.84,51.56) v1(30.1,47.12) v1(30.73,89.41) v1(31.39,42.16) v1(31.39,41.17) v1(32.08,94.92) v1(32.05,93.93) v1(32.77,112.14) v1(32.79,103.99) v1(32.79,102.95) v1(33.53,75.69) v1(33.71,42.16) v1(33.81,103.99) v1(33.91,95.02) v1(34.54,119.76) v1(34.54,118.75) v1(34.57,95.81) v1(35.81,24.13) v1(36,29.72) v1(36.32,71.63) v1(36.83,24.13) v1(37.15,29.72) v1(37.34,87.38) v1(37.34,85.34) v1(37.34,71.63) v1(37.85,86.36) v1(38.35,87.38) v1(38.35,85.34) v1(38.35,71.63) v1(38.61,24.13) v1(38.86,86.36) v1(39.12,118.87) v1(39.37,87.38) v1(39.37,85.34) v1(39.62,23.62) v1(40.64,136.14) v1(40.64,121.41) v1(40.64,71.63) v1(40.64,23.62) v1(41.28,118.87) v1(41.66,136.14) v1(42.49,110.41) v1(42.67,136.14) v1(43.18,121.41) v1(43.18,23.62) v1(43.43,118.87) v1(43.56,110.41) v1(43.69,136.14) v1(43.69,71.63) v1(43.94,124.21) v1(43.94,75.69) v1(44.45,129.79) v1(44.63,110.41) v1(44.7,71.63) v1(44.96,124.21) v1(45.09,89.79) v1(45.11,109.4) v1(45.11,108.41) v1(45.11,107.42) v1(45.97,118.87) v1(47.24,96.98) v1(47.5,40.89) v1(47.75,87.25) v1(48.26,96.98) v1(48.26,90.42) v1(48.26,41.53) v1(49.28,99.82) v1(50.04,99.06) v1(50.04,23.81) v1(50.04,22.86) v1(50.04,21.91) v1(50.29,118.49) v1(50.29,117.47) v1(50.55,132.33) v1(50.55,131.32) v1(50.55,130.3) v1(50.8,98.3) v1(51.31,110.74) v1(51.31,105.66) v1(51.56,97.54) v1(52.07,93.47) v1(52.07,92.46) v1(52.58,71.21) v1(52.58,70.19) v1(53.09,118.11) v1(53.09,117.09) v1(53.09,115.32) v1(53.09,113.54) v1(53.09,110.74) v1(53.53,71.21) v1(53.53,70.19) v1(54.74,99.95) v1(54.99,93.15) v1(55.12,117.09) v1(55.12,115.32) v1(55.12,113.54) v1(55.12,90.17) v1(55.37,121.16) v1(55.5,99.19) v1(55.54,57.14) v1(56.13,90.17) v1(56.26,98.42) v1(56.39,121.16) v1(56.46,87.66) v1(56.97,86.89) v1(57.15,90.17) v1(57.53,5.59) v1(57.66,13.59) v1(57.78,73.05) v1(57.78,19.81) v1(57.91,83.02) v1(59.56,47.78) v1(59.59,46.79) v1(60.55,46.79) v1(62.48,80.26) v1(62.99,83.31) v1(63.25,79.5) v1(63.75,99.06) v1(63.75,98.04) v1(63.75,97.03) v1(64.01,83.31) v1(64.01,78.74) v1(65.02,80.52) v1(66.04,83.31) v1(66.04,80.52) v1(66.08,64.77) v1(66.08,63.75) v1(66.19,60.01) v1(66.19,58.99) v1(68.45,66.93) v1(68.45,65.91) v1(68.45,64.9) v1(71.12,103.89) v1(72.14,105.28) v1(75.44,113.03) v1(76.07,59.61) v1(76.05,58.6) v1(76.07,46.99) v1(76.2,103.89) v1(76.45,113.03) v1(76.45,112.01) v1(76.71,119.38) v1(76.96,104.65) v1(77.09,46.61) v1(77.72,105.41) v1(78.23,43.94) v1(78.74,74.49) v1(78.74,73.47) v1(79.57,83.31) v1(79.57,82.3) v1(79.57,81.28) v1(79.57,80.26) v1(79.76,74.49) v1(79.76,73.47) v1(80.52,102.23) v1(80.58,83.31) v1(80.58,82.3) v1(80.58,81.28) v1(80.58,80.26) v1(80.77,74.49) v1(80.77,73.47) v1(81.28,103) v1(81.79,74.49) v1(81.79,73.47) v1(82.04,103.76) v1(82.11,102.17) v1(82.3,45.72) v1(82.87,104.46) v1(82.8,74.49) v1(82.8,73.47) v1(82.93,102.93) v1(83.31,45.72) v1(83.76,103.76) v1(84.65,104.46) v1(84.84,83.06) v1(84.84,82.04) v1(85.34,45.21) v1(86.11,44.45) v1(87.25,53.85) v1(87.25,52.83) v1(87.25,51.82) v1(89.92,53.85) v1(91.31,55.5)
